# Allegro board F103_BOMB_V10_220614.brd
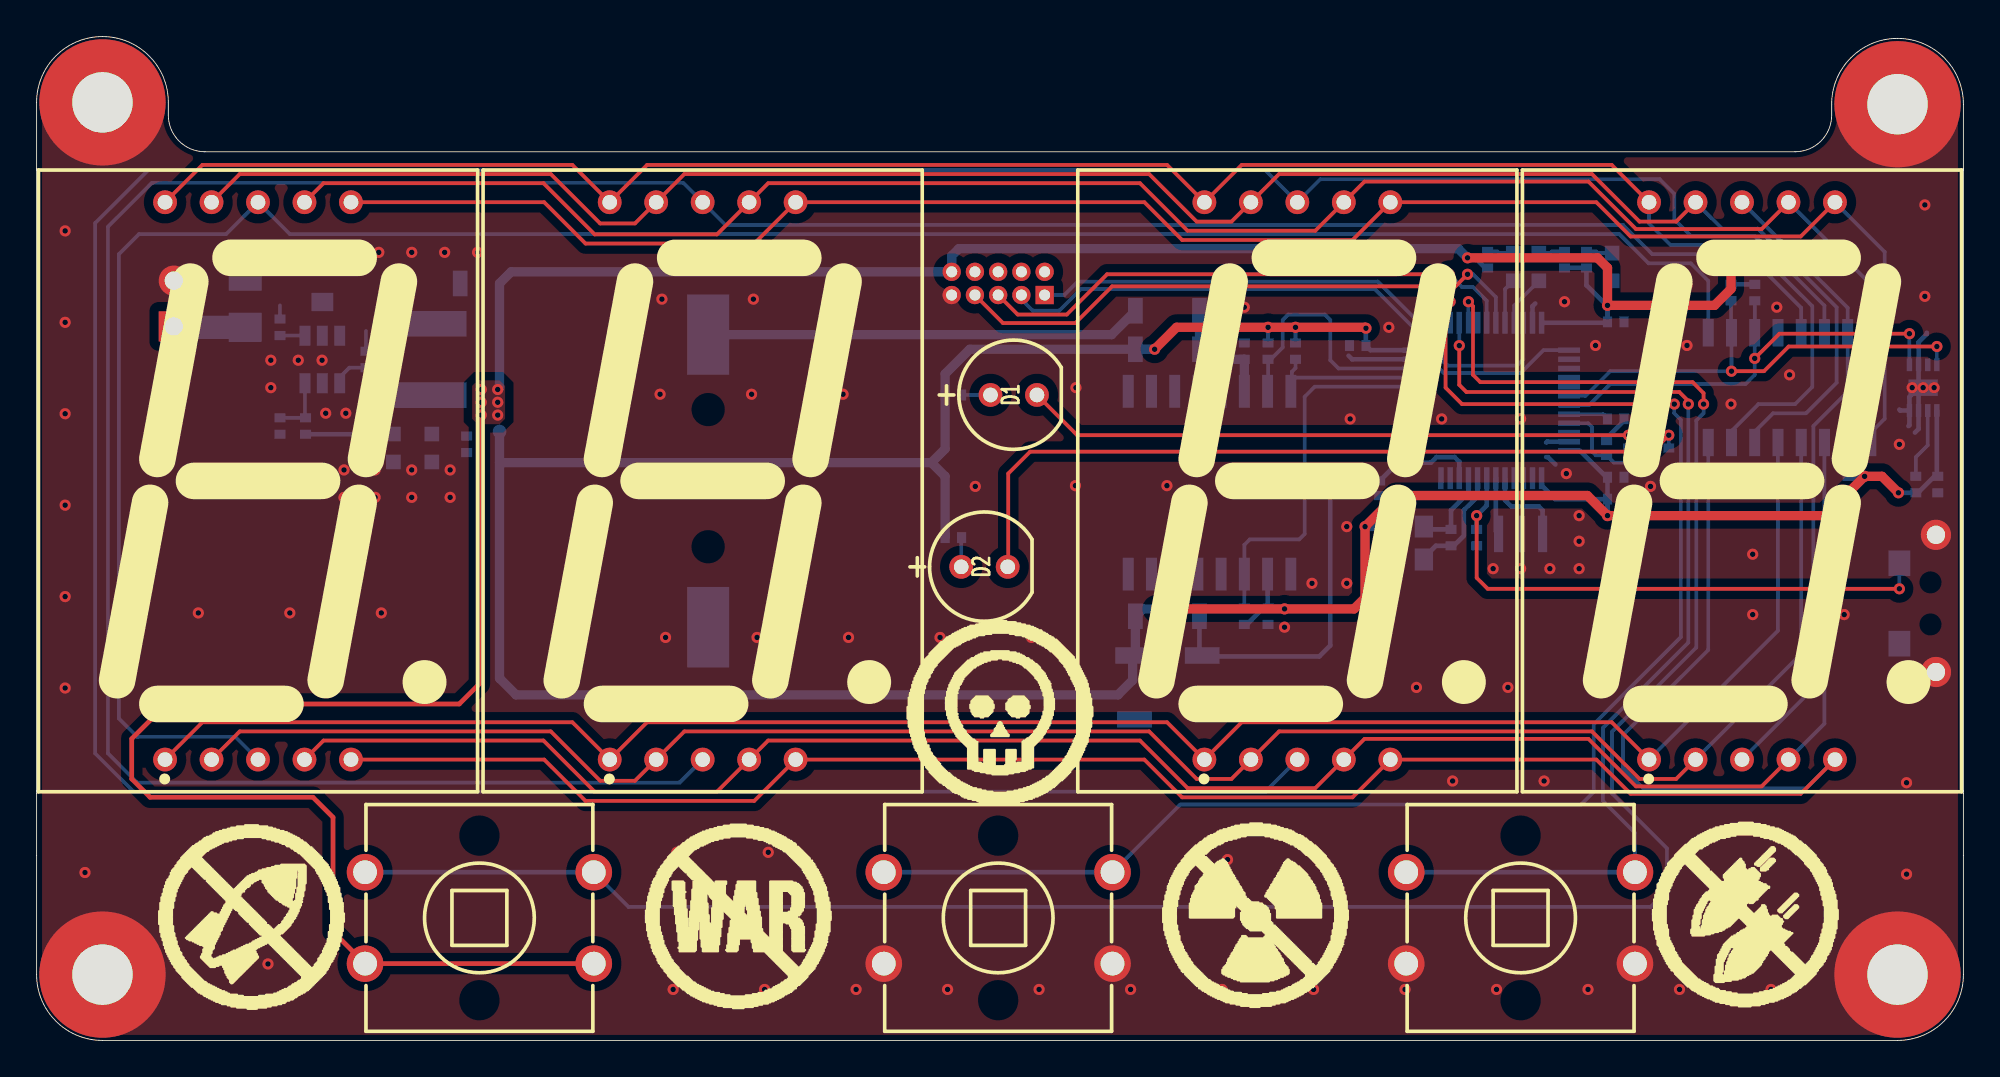
[diagram p0: board, top side]
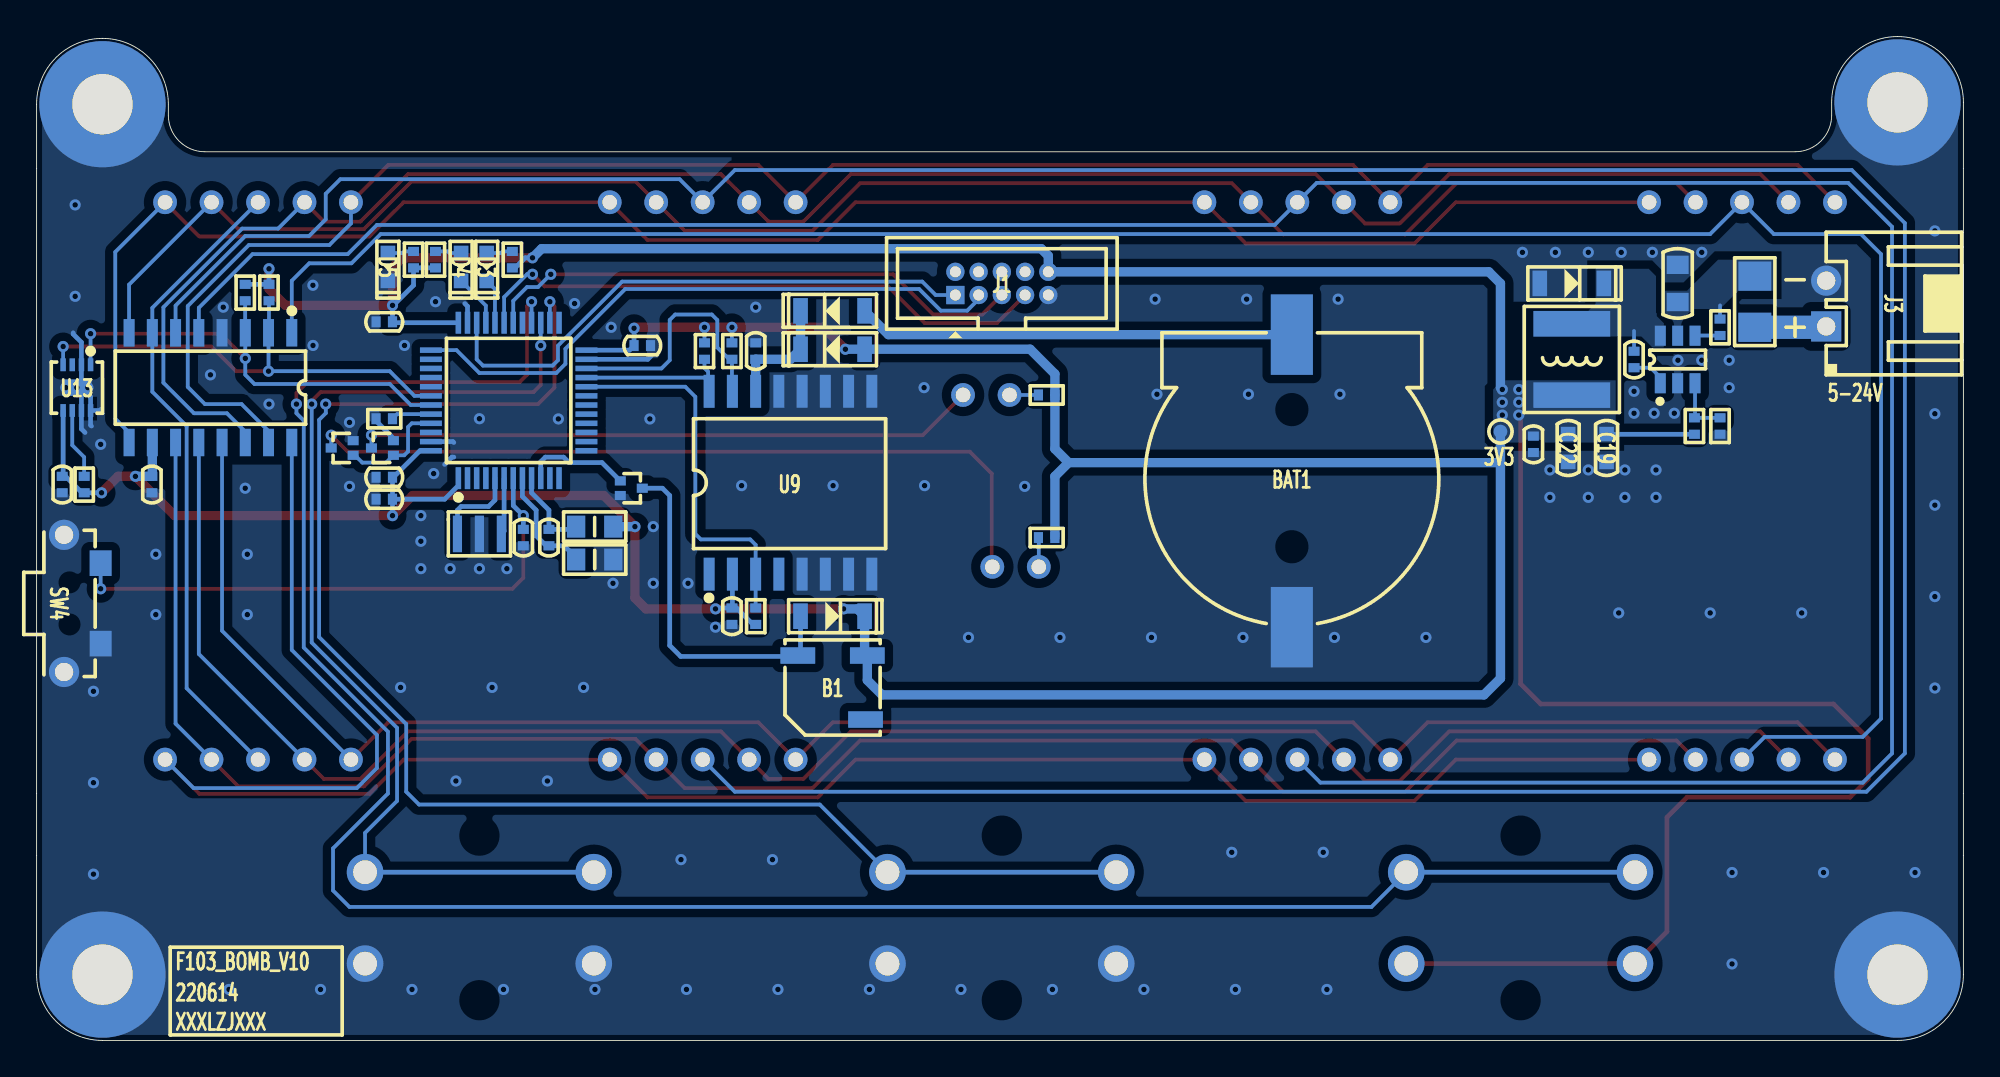
[diagram p1: board, bottom side, seen from below]

Outline 105.3 x 54.9 mm; copper layers: TOP, BOTTOM. Coordinates in mm from the lower left corner of the outline.
Outline path: 0,51.3 arc(1.05,53.85) 3.6,54.9 arc(6.15,53.85) 7.2,51.3 7.2,50.6 arc(7.79,49.19) 9.2,48.6 96.1,48.6 arc(97.51,49.19) 98.1,50.6 98.1,51.2 arc(99.15,53.75) 101.7,54.8 arc(104.25,53.75) 105.3,51.2 105.3,3.6 arc(104.25,1.05) 101.7,0 3.6,0 arc(1.05,1.05) 0,3.6 0,51.3

## Design rules (mm)
constraint set DEFAULT: min track width 0.203, pair gap 0.203

## Placement (name value [footprint] x y rotation side)
B1  -  [MLT-5020]  61.8 19.3 0 bottom
BAT1  -  [CR1220HOLDER-SMD]  36.7 30.6 0 bottom
C3  100nF_50V  [C0402]  99 30.4 270 bottom
C4  100nF_50V  [C0402]  86.3 39.3 180 bottom
C5  100nF_50V  [C0402]  86.3 30.8 180 bottom
C6  100nF_50V  [C0402]  86.3 29.6 180 bottom
C7  100nF_50V  [C0402]  72.2 38 0 bottom
C8  100nF_50V  [C0402]  77.3 27.5 90 bottom
C9  100nF_50V  [C0402]  78.7 27.5 270 bottom
C10  100nF_50V  [C0402]  67.3 23.2 90 bottom
C11  100nF_50V  [C0402]  66 37.7 90 bottom
C13  10nF_50V  [C0402]  18 37.24 90 bottom
C15  100nF_50V  [C0402]  23.5 32.6 270 bottom
C16  10uF_25V  [C0805]  15.62 41.4 90 bottom
C19  10uF_10V  [C0603]  19.5 32.4 270 bottom
C22  10uF_10V  [C0603]  21.6 32.4 270 bottom
C23  100nF_50V  [C0402]  103.9 30.4 270 bottom
D1  LED_GREEN  [LED-5R0X5R0]  53.4 35.3 0 top
D2  LED_GREEN  [LED-5R0X5R0]  51.8 25.9 0 top
D3  GREEN-0603  [LED0603]  80.7 42.3 270 bottom
D4  GREEN-0603  [LED0603]  82.1 42.3 270 bottom
D5  GREEN-0603  [LED0603]  86.1 42.3 270 bottom
D7  LMBR140  [SOD123]  21.4 41.4 0 bottom
D8  LMBR140  [SOD123]  61.8 37.8 180 bottom
D9  LMBR140  [SOD123]  61.8 39.9 180 bottom
D10  LMBR140  [SOD123]  61.8 23.2 0 bottom
F2  32V/5A  [FUSE1206]  11.4 40.4 90 bottom
J1  -  [DC3-10P-Z]  52.55 41.4 0 bottom
J3  -  [HX25035-2WA]  7.5 40.3 90 bottom
L1  SWPA5020S4R7  [L5020]  21.4 37.24 270 bottom
L2  BLM21PG600  [L0805]  74.8 28.1 0 bottom
L3  BLM21PG600  [L0805]  74.8 26.3 0 bottom
MH1  HOLE-M3/NI  [HOLE6R90X3R40]  101.7 3.6 0 top
MH2  HOLE-M3/NI  [HOLE6R90X3R40]  3.6 51.3 0 top
MH3  HOLE-M3/NI  [HOLE6R90X3R40]  3.6 3.6 0 top
MH4  HOLE-M3/NI  [HOLE6R90X3R40]  101.7 51.2 0 top
NOREF  -  []  0 0 0 top
NOREF#2  -  []  0 0 90 top
NOREF#3  -  []  0 0 0 top
NOREF#4  -  []  0 0 0 top
NOREF#5  -  []  -0.21 0 0 top
NOREF#6  -  []  0 0 90 top
NOREF#7  -  []  0 0 90 top
Q1  DTC043ZMT2L  [SOT723]  88.6 32.4 90 bottom
Q2  DTC043ZMT2L  [SOT723]  86.4 32.4 90 bottom
Q3  DTC043ZMT2L  [SOT723]  72.8 30.2 270 bottom
R1  4.7K  [R0402]  93.9 40.9 270 bottom
R2  4.7K  [R0402]  92.6 40.9 270 bottom
R5  4.7K  [R0402]  50.1 27.5 0 bottom
R6  4.7K  [R0402]  50.1 35.3 0 bottom
R8  4.7K  [R0402]  79.3 42.7 90 bottom
R9  4.7K  [R0402]  86.3 34 0 bottom
R10  4.7K  [R0402]  83.5 42.7 90 bottom
R12  4.7K  [R0402]  84.7 42.7 90 bottom
R13  4.7K  [R0402]  67.3 37.7 270 bottom
R14  4.7K  [R0402]  68.8 37.7 270 bottom
R15  4.7K  [R0402]  66 23.2 270 bottom
R19  100K  [R0402]  13.3 39 270 bottom
R20  49.9K  [R0402]  14.7 33.6 90 bottom
R22  16.2K  [R0402]  13.3 33.6 270 bottom
R23  4.7K  [R0402]  102.7 30.4 90 bottom
SW1  -  [B3F-4055]  24.2 6.7 180 top
SW2  -  [B3F-4055]  52.55 6.7 180 top
SW3  -  [B3F-4055]  81.1 6.7 180 top
SW4  -  [K2-1112SW-A4SW-04]  103.5 23.9 90 bottom
TP1  TP/NI  [TP-0R75]  25.3 33.3 180 bottom
U2  -  [ST72151105W]  12.1 30.6 0 top
U3  -  [ST72151105W]  36.4 30.6 0 top
U4  -  [ST72151105W]  68.9 30.6 0 top
U5  -  [ST72151105W]  93.2 30.6 0 top
U7  TM1650  [SOP16_150]  95.8 35.7 0 bottom
U9  DS3231SN#  [SOIC16_300]  64.1 30.5 180 bottom
U10  MP2359DJ-LF-Z  [SOT23-6]  15.62 37.24 180 bottom
U12  STM32F103C8T6  [LQFP48-7X7-0R5]  79.5 35 180 bottom
U13  SHT30-DIS-B  [DFN8]  103.1 35.7 270 bottom
X1  CSTCE8M00G15C99-R0  [X-3P-3R2X1R3-SMD]  81.1 27.7 180 bottom

## Library data of the parts
B1 = MLT-5020
BAT1 = JMP-2_0
C3-C8 C10 C11 C13 = CAP NP_2
C9 C15 C19 C22 C23 = CAP NP
C16 = CAP NP_3
D1-D5 = LED_4
D7-D10 = DIODE13_7
F2 = FUSE
J1 = DC3-10P-Z-L
J3 = CONN RCPT 2
L1 = INDUCTOR_0
L2 L3 = IND_BEAD_0805_600OHM_1
MH1-MH4 = Hold_1
Q1-Q3 = DTC043ZMT2L
R1 R2 R5 R6 R8-R10 R12-R15 R19 R20 R22 R23 = R_Generic
SW1-SW4 = SWITCH-SPST-4P
TP1 = TestPoint
U2-U5 = ST72151105W_0
U7 = TM1650
U9 = DS3131SN+
U10 = MP2359DJ-LF-Z
U12 = STM32F103C8T6
U13 = SHT30-DIS-B
X1 = XTAL_5032_0

## Footprints (pads in the part's own frame, mm; a bottom-side part is the same pattern mirrored in y, then rotated)
B3F-4055
  round 2 hole 1.3: 1(-6.25,2.5) 2(6.25,2.5) 3(-6.25,-2.5) 4(6.25,-2.5)
C0402
  rect 0.5x0.6 smd: 1(-0.45,0) 2(0.45,0)
C0603
  rect 0.8x0.8 smd: 1(-0.762,0) 2(0.762,0)
C0805
  rect 1x1.2 smd: 1(-1.016,0) 2(1.016,0)
CR1220HOLDER-SMD
  rect 2.3x4.4 smd: 1(0,-8) 2(0,8)
DC3-10P-Z
  rect 1x1 hole 0.6: 1(2.54,0.635)
  round 1 hole 0.6: 2(2.54,-0.635) 3(1.27,0.635) 4(1.27,-0.635) 5(0,0.635) 6(0,-0.635) 7(-1.27,0.635) 8(-1.27,-0.635) 9(-2.54,0.635) 10(-2.54,-0.635)
DFN8
  rect 0.7x0.3 smd: 1(-1.25,0.75) 2(-1.25,0.25) 3(-1.25,-0.25) 4(-1.25,-0.75) 5(1.25,-0.75) 6(1.25,-0.25) 7(1.25,0.25) 8(1.25,0.75)
  rect 0.9x1.6 smd: 9(0,0)
FUSE1206
  rect 1.6x1.8 smd: 1(-1.4,0) 2(1.4,0)
HOLE6R90X3R40
  round 6.9 hole 3.3: 1(0,0)
HX25035-2WA
  rect 1.65x1.65 hole 1: 1(-1.25,0)
  round 1.65 hole 1: 2(1.25,0)
K2-1112SW-A4SW-04
  round 1.65 hole 1: 1(-3.75,0.3) 4(3.75,0.3)
  rect 1.4x1.2 smd: 2(-2.2,-1.7) 3(2.2,-1.7)
L0805
  rect 1x1.2 smd: 1(-1.016,0) 2(1.016,0)
L5020
  rect 1.4x4.2 smd: 1(-1.95,0) 2(1.95,0)
LED0603
  rect 0.8x0.8 smd: 1(-0.762,0) 2(0.762,0)
LED-5R0X5R0
  round 1.3 hole 0.8: 1(-1.27,0) 2(1.27,0)
LQFP48-7X7-0R5
  rect 0.3x1.2 smd: 1(-2.75,-4.25) 2(-2.25,-4.25) 3(-1.75,-4.25) 4(-1.25,-4.25) 5(-0.75,-4.25) 6(-0.25,-4.25) 7(0.25,-4.25) 8(0.75,-4.25) 9(1.25,-4.25) 10(1.75,-4.25) 11(2.25,-4.25) 12(2.75,-4.25) 25(2.75,4.25) 26(2.25,4.25) 27(1.75,4.25) 28(1.25,4.25) 29(0.75,4.25) 30(0.25,4.25) 31(-0.25,4.25) 32(-0.75,4.25) 33(-1.25,4.25) 34(-1.75,4.25) 35(-2.25,4.25) 36(-2.75,4.25)
  rect 1.2x0.3 smd: 13(4.25,-2.75) 14(4.25,-2.25) 15(4.25,-1.75) 16(4.25,-1.25) 17(4.25,-0.75) 18(4.25,-0.25) 19(4.25,0.25) 20(4.25,0.75) 21(4.25,1.25) 22(4.25,1.75) 23(4.25,2.25) 24(4.25,2.75) 37(-4.25,2.75) 38(-4.25,2.25) 39(-4.25,1.75) 40(-4.25,1.25) 41(-4.25,0.75) 42(-4.25,0.25) 43(-4.25,-0.25) 44(-4.25,-0.75) 45(-4.25,-1.25) 46(-4.25,-1.75) 47(-4.25,-2.25) 48(-4.25,-2.75)
MLT-5020
  rect 1.9x0.9 smd: 1(-1.9,-1.75) 2(1.9,-1.75) 3(-1.8,1.75)
R0402
  rect 0.5x0.6 smd: 1(-0.45,0) 2(0.45,0)
SOD123
  rect 0.8x1.4 smd: 1(1.75,0) 2(-1.75,0)
SOIC16_300
  rect 0.6x1.8 smd: 1(-4.445,-5) 2(-3.175,-5) 3(-1.905,-5) 4(-0.635,-5) 5(0.635,-5) 6(1.905,-5) 7(3.175,-5) 8(4.445,-5) 9(4.445,5) 10(3.175,5) 11(1.905,5) 12(0.635,5) 13(-0.635,5) 14(-1.905,5) 15(-3.175,5) 16(-4.445,5)
SOP16_150
  rect 0.6x1.5 smd: 1(-4.445,-3) 2(-3.175,-3) 3(-1.905,-3) 4(-0.635,-3) 5(0.635,-3) 6(1.905,-3) 7(3.175,-3) 8(4.445,-3) 9(4.445,3) 10(3.175,3) 11(1.905,3) 12(0.635,3) 13(-0.635,3) 14(-1.905,3) 15(-3.175,3) 16(-4.445,3)
SOT23-6
  rect 0.6x1.1 smd: 1(-0.95,-1.3) 2(0,-1.3) 3(0.95,-1.3) 4(0.95,1.3) 5(0,1.3) 6(-0.95,1.3)
SOT723
  rect 0.5x0.6 smd: 1(-0.4,-0.6) 2(0.4,-0.6) 3(0,0.6)
ST72151105W
  round 1.3 hole 0.8: 1(-5.08,-15.24) 2(-2.54,-15.24) 3(0,-15.24) 4(2.54,-15.24) 5(5.08,-15.24) 6(5.08,15.24) 7(2.54,15.24) 8(0,15.24) 9(-2.54,15.24) 10(-5.08,15.24)
TP-0R75
  round 0.75 smd: 1(0,0)
X-3P-3R2X1R3-SMD
  rect 0.5x2 smd: 1(-1.2,0) 2(0,0) 3(1.2,0)

## Nets
GND: BAT1.2 C3.2 C4.1 C5.1 C6.1 C7.1 C9.2 C10.1 C11.2 C15.2 C16.2 C19.2 C22.2 C23.2 D5.2(CATHODE) D7.1 J1.9 J3.2 L3.1 MH1.1 MH2.1 MH3.1 MH4.1 Q1.2 Q2.2 Q3.2 R9.2 R22.2 SW2.1 SW2.2 SW3.1 SW3.2 SW4.1 SW4.2 SW4.4 U7.4 U9.5 U9.6 U9.7 U9.8 U9.9 U9.10 U9.11 U9.12 U9.13 U10.2 U12.23 U12.35 U12.47(VSS_3) U13.2 U13.7 U13.8(VSS) U13.9 X1.2
VCC_3.3V: B1.1 C3.1 C4.2 C5.2 C6.2 C7.2 C10.2 C15.1 C19.1 C22.1 C23.1 D8.1 D10.2(CATHODE) J1.10 L1.2 L2.1 R1.1 R2.1 R5.1 R6.1 R8.1 R10.1 R12.1 R13.1 R14.1 R15.2 R20.1 R23.1 SW1.1 SW1.2 TP1.1 U7.10(VDD) U9.2(VCC_2) U12.1 U12.24 U12.36 U12.48 U13.5
VCC_IN: C16.1 F2.2 R19.1 U10.5
VDDA: C8.2 L2.2(B) U12.9
VSSA: C8.1 L3.2(B) U12.8
A: U2.7 U3.7 U4.7 U5.7 U7.8
B: U2.6 U3.6 U4.6 U5.6 U7.9
BOOT0: R9.1 U12.44
C: U2.4 U3.4 U4.4 U5.4 U7.11
D: U2.2 U3.2 U4.2 U5.2 U7.12
DIG1: U2.3 U2.8 U7.1
DIG2: U3.3 U3.8 U7.5
DIG3: U4.3 U4.8 U7.6
DIG4: U5.3 U5.8 U7.7
DP: U2.5 U3.5 U4.5 U5.5 U7.16
E: U2.1 U3.1 U4.1 U5.1 U7.13
F: U2.9 U3.9 U4.9 U5.9 U7.14
G: U2.10(G) U3.10(G) U4.10(G) U5.10(G) U7.15
NRST: C9.1 SW4.3 U12.7
OSC_IN: U12.5 X1.1
OSC_OUT: U12.6 X1.3
PA0/BEEP: Q3.1 U12.10
PA9/USART1_TX: J1.5 U12.30
PA10/USART1_RX: J1.7 U12.31
PA11/LED0: D3.2(CATHODE) U12.32
PA12/LED1: D4.2(CATHODE) U12.33
PB2/DS3231_INT#: R15.1 U9.3 U12.20
PB6/IIC_SCL: R2.2 U7.2 U12.42 U13.4
PB7/IIC_SDA: R1.2 U7.3 U12.43 U13.1
PB8/DP_LED: Q1.1 Q2.1 U12.45
PB10/DS3231_SCL: R14.2 U9.16 U12.21
PB11/DS3231_SDA: R13.2 U9.15 U12.22
PB13/KEY0: SW2.3 SW2.4 U12.26
PB14/KEY1: SW3.3 SW3.4 U12.27
PB15/WK_UP: SW1.3 SW1.4 U12.28
SWCLK: J1.3 U12.37
SWDIO: J1.1 U12.34
N17026698: D4.1 R10.2
N17026724: D5.1 R12.2
N17062865: D3.1 R8.2
N17067272: C13.2 D7.2(CATHODE) L1.1 U10.6(SW)
N17067274: C13.1 U10.1
N17067388: R20.2 R22.1 U10.3
N17067392: R19.2 U10.4
N17087771: C11.1 D8.2(CATHODE) D9.2(CATHODE) U9.14
N17094891: F2.1 J3.1
N17114620: BAT1.1 D9.1
N17124916: R23.2 U13.6
N17127742: B1.2 D10.1 Q3.3
N170995481: D2.1 R5.2
N170995561: D2.2(CATHODE) Q1.3
N170997971: D1.1 R6.2
N170998051: D1.2(CATHODE) Q2.3

Pads without a net: B1 3; J1 2 4 6 8; U9 1 4; U12 2 3 4 11 12 13 14 15 16 17 18 19 25 29 38 39 40 41 46; U13 3

## Via types
v1: diameter 0.61, hole 0.305, TOP to BOTTOM, 150 vias

## Routing (per net, layer and track width the routed paths; a pad name or vN(x,y) marks a point on that pad's centre or on a via; arc(x,y) is an arc through that point)
GND: length 17
  BOTTOM w0.254: U13.8 102.35,35.2 102.6,35.45 102.85,35.45 ; U13.8 101.85,34.45 101.8,34.5 ; U13.8 102.35,33.65 102.3,33.6 ; U12.23 71.9,37.25 71.7,37.45 ; U12.47 82.55,32.75 82.5,32.7 ; 102.65,33.25 102.85,33.44 U13.7 102.85,35.45 ; U12.35 81.75,40.15 81.9,40.3 ; 83,31.5 82.6,31.9 82.5,31.9 ; 102.85,35.45 v1(103.1,35.7) 102.85,35.95 U13.2 102.85,38.18 103.3,38.63 103.3,38.7 ; R9.2 86.75,33.88 85.8,32.93 Q2.2
  vias: v1(1.56,44.27) v1(1.56,39.27) v1(1.56,34.27) v1(1.56,29.27) v1(1.56,24.27) v1(1.56,19.27) v1(2.64,9.18) v1(7.64,9.18) v1(8.84,23.38) v1(12.64,9.18) v1(12.64,4.18) v1(12.8,37.2) v1(12.8,35.7) v1(13.84,23.38) v1(14.3,43.1) v1(14.3,37.2) v1(15.6,37.2) v1(15.8,34.3) v1(16.8,31.2) v1(16.8,29.7) v1(16.9,34.3) v1(17,43.1) v1(18,35.5) v1(18,34.3) v1(18.5,31.2) v1(18.5,29.7) v1(18.7,43.1) v1(18.84,23.38) v1(20.5,43.1) v1(20.5,31.2) v1(20.5,29.7) v1(22.3,43.1) v1(22.6,31.2) v1(22.6,29.7) v1(24.1,43.1) v1(29.37,22.04) v1(34.07,35.34) v1(34.17,40.54) v1(34.37,22.04) v1(34.79,2.79) v1(34.99,10.29) v1(39.07,35.34) v1(39.17,40.54) v1(39.37,22.04) v1(39.79,2.79) v1(39.99,10.29) v1(44.07,35.34) v1(44.17,40.54) v1(44.37,22.04) v1(44.79,2.79) v1(49.37,22.04) v1(49.79,2.79) v1(51.3,30.3) v1(54.37,22.04) v1(54.79,2.79) v1(56.8,35.7) v1(56.77,30.34) v1(59.79,2.79) v1(61.77,30.34) v1(64.79,2.79) v1(65.09,9.89) v1(66,40.1) v1(66.77,30.34) v1(68.2,22.6) v1(69.7,25) v1(69.79,2.79) v1(70.09,9.89) v1(71.6,28.1) v1(71.6,25) v1(71.79,33.99) v1(73.8,25) v1(73.9,39) v1(74.79,2.79) v1(75.41,19.31) v1(75.9,40.3) v1(76.79,33.99) v1(77.39,14.19) v1(79.6,25.8) v1(79.79,2.79) v1(80.41,19.31) v1(81.1,34) v1(81.1,25.8) v1(82.39,14.19) v1(82.7,25.8) v1(83.5,40.4) v1(83.6,31) v1(84.3,28.7) v1(84.3,27.3) v1(84.3,25.8) v1(84.79,2.79) v1(85.19,38.01) v1(85.41,19.31) v1(88.2,33.8) v1(88.2,30.3) v1(89.79,2.79) v1(90.2,41.3) v1(90.19,38.01) v1(92.6,34.8) v1(93.79,26.59) v1(93.79,23.29) v1(93.9,30.2) v1(94.79,2.79) v1(95.1,40.1) v1(95.8,36.4) v1(98.79,26.59) v1(98.79,23.29) v1(101.8,32.6) v1(102.19,19.09) v1(102.19,14.09) v1(102.19,9.09) v1(102.5,35.7) v1(103.19,45.69) v1(103.19,40.69) v1(103.7,35.7)
VCC_3.3V: length 352.3
  TOP w0.254: v1(24.3,34.2) 24.2,34.1 24.2,19.5 23.1,18.4 7.1,18.4 5.2,16.5 5.2,14.3 6.2,13.3 15.1,13.3 16.2,12.2 16.2,5.95 SW1.2 SW1.1
  TOP w0.508: v1(61.2,23.6) v1(68.2,23.6) 72,23.6 72.6,24.2 v1(72.6,28.1) 74.3,29.8 84.75,29.8 v1(85.85,28.7) 97.75,28.7 v1(99.9,30.85) 100.85,30.85 v1(101.75,29.95) ; v1(61.1,37.8) 62.3,39 v1(67.3,39) v1(68.8,39) 72.6,39 v1(72.65,38.95) ; v1(78.2,42.8) 85.3,42.8 85.85,42.25 v1(85.85,40.2) 91.7,40.2 92.6,41.1 v1(92.6,42.2)
  BOTTOM w0.203: R13.1 v1(67.3,39) ; R14.1 v1(68.8,39)
  BOTTOM w0.254: R15.2 66.15,22.75 67.05,23.65 C10.2 ; C6.2 83,29.6 82.25,30.35 U12.1 ; C6.2 C5.2 85.8,30.8 84.35,32.25 U12.48 ; C6.2 v1(85.85,28.7) ; C10.2 67.28,23.68 67.28,25.5 ; C10.2 68.15,23.65 v1(68.2,23.6) ; R8.1 79.15,42.25 78.6,42.8 v1(78.2,42.8) ; U12.24 72.9,37.75 C7.2 v1(72.65,38.95) ; U13.5 103.85,30.9 C23.1 103.72,30.85 102.82,29.95 R23.1 v1(101.75,29.95) ; v1(92.6,42.2) R2.1 R1.1 ; R20.1 19.49,33.15 C19.1 ; U12.36 85.8,39.25 C4.2 v1(85.85,40.2) 85.8,40.2 84.7,41.3 R12.1 R10.1
  BOTTOM w0.508: U7.10 98.97,30.88 C3.1 v1(99.9,30.85) ; v1(25.2,35.6) 25.3,35.7 25.3,41.4 25.93,42.03 J1.10 50.01,42.91 50.4,43.3 77.7,43.3 v1(78.2,42.8) ; 25.3,31.6 48.9,31.6 ; 25.3,31.6 25.3,19.8 26.2,18.9 59.1,18.9 59.9,19.7 B1.1 60.05,21.2 D10.2 60.45,23.6 v1(61.2,23.6) ; 25.3,31.6 TP1.1 ; 48.9,31.6 49.65,30.85 R5.1 ; 48.9,31.6 49.65,32.35 R6.1 49.65,36.45 51,37.8 D8.1 v1(61.1,37.8) ; L2.1 v1(72.6,28.1)
  vias: v1(24.3,35.6) v1(24.3,34.9) v1(25.2,34.9) v1(25.2,34.2)
VCC_IN: length 0.8
  BOTTOM w0.203: R19.1 13.3,40.2
VDDA: length 4.7
  BOTTOM w0.254: U12.9 78.25,29.95 77.3,29 C8.2 75.97,27.95 L2.2
VSSA: length 6.2
  BOTTOM w0.254: L3.2 75.82,26.4 76.47,27.05 C8.1 77.45,27.05 78,27.6 78,29 78.75,29.75 U12.8
A: length 96.7
  TOP w0.203: U5.7 94.27,44.37 87.41,44.37 84.81,46.97 72.57,46.97 U4.7 69.88,44.28 62.9,44.28 60.3,46.88 39.98,46.88 U3.7 37.18,44.08 30.5,44.08 27.7,46.88 15.68,46.88 U2.7
  BOTTOM w0.203: U7.8 100.25,41.34 U5.7
B: length 100.8
  TOP w0.203: U5.6 96.41,43.97 87.11,43.97 85.24,45.84 U4.6 71.91,43.77 62.61,43.77 60.54,45.84 U3.6 39.22,43.58 30,43.58 27.74,45.84 U2.6
  BOTTOM w0.203: U7.9 100.25,33.24 101,34 101,43.12 U5.6
BOOT0: length 2.2
  BOTTOM w0.203: U12.44 85.6,34.25 R9.1
C: length 105.9
  TOP w0.203: U5.4 94.27,13.89 87.41,13.89 84.81,16.49 72.57,16.49 U4.4 69.88,13.8 62.9,13.8 60.3,16.4 39.98,16.4 U3.4 37.18,13.6 30.5,13.6 27.7,16.4 15.68,16.4 U2.4
  BOTTOM w0.203: U5.4 97.7,17.32 U7.11
D: length 107.4
  TOP w0.203: U2.2 11.1,16.9 28.1,16.9 30.8,14.2 32.7,14.2 U3.2 35.4,16.9 60.8,16.9 63.4,14.3 65.3,14.3 U4.2 67.9,16.9 85,16.9 87.6,14.3 89.6,14.3 U5.2
  BOTTOM w0.203: U5.2 96.44,21.14 U7.12
DIG1: length 126.6
  BOTTOM w0.203: 91.36,38.7 91.36,41.55 90.4,42.5 88.09,42.5 86.49,44.1 13.84,44.1 U2.8 10.36,44.1 5.6,44.1 4.5,43 4.5,17.6 5.5,16.6 10.86,16.6 U2.3
DIG2: length 160.2
  BOTTOM w0.203: U3.3 35.14,14.1 5.5,14.1 3.9,15.7 3.9,44.5 6.3,46.9 35.34,46.9 U3.8 37.64,44.6 86.7,44.6 88.3,43 93.5,43 96.44,40.06 U7.5
DIG3: length 198.4
  BOTTOM w0.203: U7.6 97.7,40.19 93.9,43.99 90.41,43.99 89.5,44.9 89.5,46.3 88.7,47.1 70.16,47.1 U4.8 67.14,47.6 6.1,47.6 3.2,44.7 3.2,15.7 5.3,13.6 67.14,13.6 U4.3
DIG4: length 35.3
  BOTTOM w0.203: U5.8 98.97,40.06 U7.7 98.97,35.48 97.1,33.6 97.1,19.26 U5.3
DP: length 118.6
  TOP w0.203: U2.5 27.74,15.36 30,13.1 39.22,13.1 U3.5 60.54,15.36 62.61,13.29 71.91,13.29 U4.5 85.24,15.36 87.11,13.49 96.41,13.49 U5.5
  BOTTOM w0.203: U5.5 96.72,13.8 87.8,13.8 86.7,14.9 86.7,16.7 91.36,21.36 91.36,32.7
E: length 106.4
  TOP w0.203: U5.1 86.08,17.4 65.86,17.4 U4.1 61.78,17.4 33.36,17.4 U3.1 29.28,17.4 9.06,17.4 U2.1
  BOTTOM w0.203: U7.13 95.17,22.41 U5.1
F: length 108
  TOP w0.203: U2.9 11.1,47.38 28.1,47.38 30.8,44.68 32.7,44.68 U3.9 35.4,47.38 60.8,47.38 63.4,44.78 65.3,44.78 U4.9 67.9,47.38 85,47.38 87.6,44.78 89.6,44.78 U5.9
  BOTTOM w0.203: U7.14 93.89,33.3 94.9,34.3 96.7,34.3 98.37,35.97 98.37,40.09 94.07,44.4 92.1,44.4 U5.9
G: length 108.6
  TOP w0.203: U2.10 9.06,47.88 29.28,47.88 U3.10 33.36,47.88 61.78,47.88 U4.10 65.86,47.88 86.08,47.88 U5.10
  BOTTOM w0.203: U7.15 92.62,33.33 94.1,34.8 96.1,34.8 97.04,35.74 97.04,40.16 93.7,43.5 89.3,43.5 88.12,44.68 U5.10
NRST: length 31.2
  TOP w0.203: v1(101.8,24.7) 79.3,24.7 78.7,25.3 v1(78.7,28.7)
  BOTTOM w0.203: SW4.3 v1(101.8,24.7)
  BOTTOM w0.254: C9.1 v1(78.7,28.7) 79.25,29.25 U12.7
OSC_IN: length 4.8
  BOTTOM w0.254: U12.5 80.25,29.55 80.6,29.2 82.1,29.2 82.3,29 X1.1
OSC_OUT: length 3.1
  BOTTOM w0.254: X1.3 79.75,27.85 U12.6
PA0/BEEP: length 5.9
  BOTTOM w0.254: U12.10 77.75,31.65 77.5,31.9 76.5,31.9 76.2,31.6 74.4,31.6 Q3.1
PA9/USART1_TX: length 29.9
  TOP w0.203: v1(77.2,41.9) 58.5,41.9 56.3,39.7 53.61,39.7 J1.5
  BOTTOM w0.203: v1(77.2,41.9) 77.9,41.2 78.5,41.2 79.25,40.45 U12.30
PA10/USART1_RX: length 32.1
  TOP w0.203: v1(78.2,41.9) 77.54,41.24 58.77,41.24 56.77,39.23 52.81,39.23 J1.7
  BOTTOM w0.203: v1(78.2,41.9) 78.21,41.91 78.49,41.91 79.75,40.65 U12.31
PA11/LED0: length 2.5
  BOTTOM w0.203: D3.2 80.25,41.09 U12.32
PA12/LED1: length 2.8
  BOTTOM w0.203: D4.2 80.75,40.19 U12.33
PB2/DS3231_INT#: length 20.7
  BOTTOM w0.203: R15.1 66,23.66 U9.3 66,27.11 66.3,27.4 69,27.4 69.3,27.7 69.3,35.2 69.85,35.75 U12.20
PB6/IIC_SCL: length 26.1
  TOP w0.203: v1(103.85,37.95) 95.75,37.95 94.4,36.6 v1(92.62,36.6)
  BOTTOM w0.203: R2.2 92.6,38.73 U7.2 v1(92.62,36.6) 86,36.6 84.65,35.25 U12.42 ; U13.4 v1(103.85,37.95)
PB7/IIC_SDA: length 25.6
  TOP w0.203: v1(93.89,37.3) 95.25,38.65 v1(102.35,38.65)
  BOTTOM w0.203: U13.1 v1(102.35,38.65) ; U12.43 84.85,34.75 86,35.9 93.39,35.9 93.89,36.4 v1(93.89,37.3) U7.3 93.9,38.7 R1.2
PB8/DP_LED: length 6.1
  BOTTOM w0.203: U12.45 84.8,33.75 85,33.55 85,32.21 85.21,32 Q2.1 86.2,31.6 87.5,31.6 87.9,32 Q1.1
PB10/DS3231_SCL: length 8.6
  BOTTOM w0.203: U9.16 68.6,35.55 68.6,36.05 ; 68.6,36.05 68.6,36.57 68.8,36.77 R14.2 ; 68.6,36.05 68.8,36.25 U12.21
PB11/DS3231_SDA: length 14.1
  BOTTOM w0.203: 67.28,35.5 67.3,35.52 R13.2 67.45,37.25 68.1,37.9 68.1,39.4 68.4,39.7 70.4,39.7 70.7,39.4 70.7,37.2 71.15,36.75 U12.22
PB13/KEY0: length 82.8
  TOP w0.203: v1(77.25,40.4) 77,40.15 77,35.7 77.9,34.8 v1(89.5,34.8)
  BOTTOM w0.203: v1(89.5,34.8) 89.49,34.79 89.49,34.31 89.86,33.94 89.86,22.06 85.1,17.3 85.1,13.6 84.4,12.9 62.5,12.9 SW2.3 ; v1(77.25,40.4) U12.26
  BOTTOM w0.254: SW2.3 SW2.4
PB14/KEY1: length 57.2
  TOP w0.203: v1(77.75,38) 77.75,35.85 78.14,35.46 89.77,35.46 90.27,34.97 v1(90.27,34.8)
  BOTTOM w0.203: v1(90.27,34.8) 90.27,21.76 85.6,17.09 85.6,13.1 87.35,11.35 SW3.3 ; U12.27 v1(77.75,38)
  BOTTOM w0.254: SW3.3 SW3.4
PB15/WK_UP: length 121.1
  TOP w0.203: v1(78.25,40.4) 78.5,40.15 78.5,36.4 78.9,36 90.5,36 91.1,35.4 v1(91.1,34.8)
  BOTTOM w0.203: SW1.3 32.35,7.3 88.2,7.3 89.1,8.2 89.1,10.5 86.1,13.5 86.1,16.89 90.7,21.49 90.7,33.9 91.1,34.3 v1(91.1,34.8) ; U12.28 v1(78.25,40.4)
  BOTTOM w0.254: SW1.3 SW1.4
SWCLK: length 33.8
  BOTTOM w0.203: J1.3 53.82,40.53 54.44,39.91 55.88,39.91 57.07,41.09 73.13,41.09 76.4,37.83 76.4,37 76.9,36.5 81.1,36.5 82.35,37.75 U12.37
SWDIO: length 31
  BOTTOM w0.203: J1.1 56.16,40.77 56.9,41.5 73.3,41.5 76.81,37.99 76.81,37.2 77.1,36.91 80.91,36.91 81.25,37.25 U12.34
N17026698: length 1.4
  BOTTOM w0.203: R10.2 82.82,43.15 82.73,43.06 D4.1
N17026724: length 1.4
  BOTTOM w0.203: R12.2 85.23,43.15 85.32,43.06 D5.1
N17062865: length 1.4
  BOTTOM w0.203: R8.2 79.83,43.15 79.92,43.06 D3.1
N17067272: length 1.1
  BOTTOM w0.203: C13.2 18,38.8
N17067274: length 2
  BOTTOM w0.203: U10.1 16.57,36.27 17.09,36.79 C13.1
N17067388: length 3.3
  BOTTOM w0.203: U10.3 14.67,34.08 R20.2 R22.1
N17067392: length 1.4
  BOTTOM w0.203: R19.2 14.66,38.55 U10.4
N17087771: length 6.5
  BOTTOM w0.508: D9.2 D8.2 64.1,37.25 C11.1 66,37.24 U9.14
N17094891: length 3.9
  BOTTOM w1.27: J3.1 7.55,39 F2.1
N17114620: length 23.9
  BOTTOM w0.508: D9.1 58.75,38.6 BAT1.1
N17124916: length 3.9
  BOTTOM w0.203: R23.2 102.7,31.9 103.35,32.55 U13.6
N17127742: length 19.3
  BOTTOM w0.254: Q3.3 71.1,30.2 70.7,29.8 70.7,21.6 70.1,21 63.75,21 B1.2 63.55,21.2 D10.1
N170995481: length 1.6
  BOTTOM w0.203: D2.1 50.53,27.48 R5.2
N170995561: length 42.8
  TOP w0.203: v1(89.2,33.1) 88.3,32.2 54.3,32.2 53.1,31 53.1,25.93 D2.2
  BOTTOM w0.203: Q1.3 v1(89.2,33.1)
N170997971: length 1.6
  BOTTOM w0.203: D1.1 R6.2
N170998051: length 33.9
  TOP w0.203: D1.2 56.87,33.1 v1(87,33.1)
  BOTTOM w0.203: Q2.3 v1(87,33.1)

## Copper pours and planes (outline as drawn; the poured copper is in the pictures)
GND on TOP: 0.3,51.3 3.6,54.6 6.9,51.3 6.9,50.6 7.57,48.97 9.2,48.3 96.1,48.3 97.73,48.97 98.4,50.6 98.4,51.2 101.7,54.5 105,51.2 105,3.6 104.03,1.27 101.7,0.3 3.6,0.3 1.27,1.27 0.3,3.6 ; 13 cut-outs
GND on BOTTOM: 0.3,51.3 3.6,54.6 6.9,51.3 6.9,50.6 7.57,48.97 9.2,48.3 96.1,48.3 97.73,48.97 98.4,50.6 98.4,51.2 101.7,54.5 105,51.2 105,3.6 104.03,1.27 101.7,0.3 3.6,0.3 1.27,1.27 0.3,3.6 ; 30 cut-outs
VCC_3.3V on TOP: 24.1,36.1 25.3,36.1 25.6,35.8 25.6,34 25.3,33.7 24.1,33.7 23.8,34 23.8,35.8
VCC_3.3V on BOTTOM: 19,36.1 19,32.7 25.5,32.7 25.7,32.9 25.7,35.6 25.2,36.1
VCC_IN on BOTTOM: 10.4,42.7 13.4,42.7 15.1,41 16.3,41 16.3,39.8 15.9,39.4 15.9,38 15.3,38 15.3,39.5 14.8,40 13.3,40 12.3,41 10.4,41
N17067272 on BOTTOM: 16.3,37.9 16.3,39.3 16.8,39.8 16.8,41.8 17.2,42.2 20.1,42.2 20.1,40.3 20.5,39.9 23.5,39.9 23.5,38.5 17.6,38.5 17,37.9

## Text on the board
Ref Des/Silkscreen Bottom: 5-24V | 3V3 | F103_BOMB_V10 | 220614 | XXXLZJXXX
DEVICE_TYPE_BOTTOM: SCALE: NONE | Layers | Single Ended | Differential | If the angle of PCB board outline is circular,please use this kind of break out area | If not use it,please delete it before you gerber out | If the angle of PCB board outline is right angle,please use this kind of break out area | AS usual,please use the 0.8MM stamp Via | L1 | L4 | 5.00 | 50 | 4.2 | 6.00 | 100 | 4.70 | 90 | Trace Width | (Mils) | Impedance | (Ohms) | Trace Spacing | "Airgap" | A_TARGET:1.53 mm | ___ PUBI (PUBLIC INFORMATION) | ___ FIUO (HY INTERNAL USE ONLY) | ___ FCP (HY CONFIDENTIAL PROPRIETARY) | THIS DOCUMENT CONTAINS INFORMATION | PROPRIETARY TO FREESCALE AND SHALL | NOT BE USED FOR ENGINEERING DESIGN | PROCUREMENT OR MANUFACTURE IN WHOLE | OR IN PART WITHOUT THE CONSENT OF | NXP. | 1. THIS DRAWING SPECIFIES THE REQUIREMENTS FOR A | 2. THE PWB MUST BE LEAD FREE ASSEMBLY PROCESS COMPATIBLE AND MUST BE ABLE TO HANDLE | 3. BASE MATERIAL - LAMINATE AND PREPREG SHALL MEET IPC-4101B-26, 83 or 98 | Tg - MUST BE GREATER THAN OR EQUAL TO 150 DEGREES CELSIUS. | Td - MUST BE GREATER THAN OR EQUAL TO 330 DEGREES CELSIUS. | 4. COPPER FOIL WEIGHT - SEE STACKUP DETAIL 'A' | 5. CHARACTERISTIC IMPEDANCE - SEE DETAIL 'B' | 6. MINIMUM CONDUCTIVE WIDTH/SPACING TO BE .00X"/.00X" | 7. PLATING FINISH - BOTH SIDES ENIG (ELECTROLESS NICKEL IMMERSION GOLD): | 8. ALL THROUGH HOLE VIAS MAY BE PLATED SHUT. | - MUST BE UL RECOGNIZED AND MUST HAVE AN ID THAT CONFORMS TO UL94V-0 | 9. SOLDERMASK - GREEN COLOR (TAIYO OR EQUIVALENT), BOTH SIDES. | 10. SILKSCREEN - WHITE EPOXY INK, BOTH SIDES.  NO SILK ON PADS. | 11. ELECTRICAL TEST - 100% IPCD356. | 12. PRINTED WIRING BOARD IS TO BE INDIVIDUALLY BAGGED. | 13. DRC'S MUST BE RUN ON THE GERBER BEFORE BUILDING BOARDS, | UNLESS PRIOR APPROVAL IS GIVEN IN WRITING BY FREESCALE. | 14. ADD TEARDROPS TO ALL SIGNAL LAYERS. | 15. SOLDER SAMPLES TO BE PROVIDED. | 16. BASIC GRID INCREMENT AT 1:1 IS .0001. | 17. SUPPLIER MARKINGS - ON SOLDER SIDE ONLY, WHERE SHOWN. | MODIFICATION OF SOLDERMASK IS NOT ALLOWED WITHOUT WRITTEN PERMISSION FROM FREESCALE. | WITH SPECIFICATION IPC-A-600 CLASS 2 (LATEST REVISION). | A MINIMUM OF 5 CYCLES AT 260 DEGREES CELSIUS FOR 10 SECONDS. | 18. THE PWB WILL BE MARKED AS LEAD FREE BY USE OF AN INK STAMP Pb | 19. THE PWB WILL BE MARKED AS LEAD FREE PROCESS COMPATIBLE BY USE OF AN INK STAMP 260 C | 21. FINISHED PCB MUST BE PANELIZED FOR ASSEMBLY ACCORDING TO CONTRACT MANUFACTURING REQUIREMENT. | ADDITION OF .25" RAILS AND .125" NON-PLATED TOOLING HOLES ARE AT THE DISCRETION | OF CONTRACT MANUFACTURER AND FAB HOUSE. | PANELIZATION MUST BE APPROVED BY FREESCALE. | 2.540-6.350 MICRON (100-250 MICROINCH) OF NICKEL. | .05080-.232 MICRON (2-8 MICROINCH) OF GOLD OVER | PRINTED WIRING BOARD IN ACCORDANCE | 20. ALL PLATED AND NON-PLATED THROUGH HOLES ARE TO BE DRILLED AT PRIMARY DRILL STEP. | ALL HOLE LOCATION TOLERANCES ARE TO BE +/-.002 IN REFERENCE TO THE PRIMARY DATUM. | X | XXXLZJXXX | V10A | 19_02_15 | 19-02-15 | JLC:  1.6mm THK +/- 10% | LAYER 1  TOP SIDE          1oz+plating | LAYER 2  BOTTOM SIDE       1oz+plating | FINISHED Cu WEIGHT | NO-***** | 1/1 | CAD-***** | 1 | DETAIL A | LAYER STACKUP | DETAIL B | IMPEDANCE REQUIREMENTS | IMPEDANCE TOLERANCE IS 10% | DRV8711_TEST_V10A | FAB-***** | A2 | HYOC
DISPLAY_BOTTOM: FIGURE | FINISHED_SIZE | 0.3048 | 0.6 | 0.8 | 1.0 | 1.3 | 3.3 | DRILL CHART: TOP to BOTTOM | ALL UNITS ARE IN MILLIMETERS | PLATED | QTY | 150 | 10 | 44 | 4 | 12 | 224 | TOTAL HOLES:
